# Altium PCB JTAG-批量下载V06.PcbDoc (part 8 of 13)
Units mil, origin at the board's own origin, x right, y up, seen from the top; angles counter-clockwise.
Board outline 6380 x 5290 mil, 2 copper layers (Top Layer, Bottom Layer); 190 components, 238 nets, 1050 pads, 459 vias.
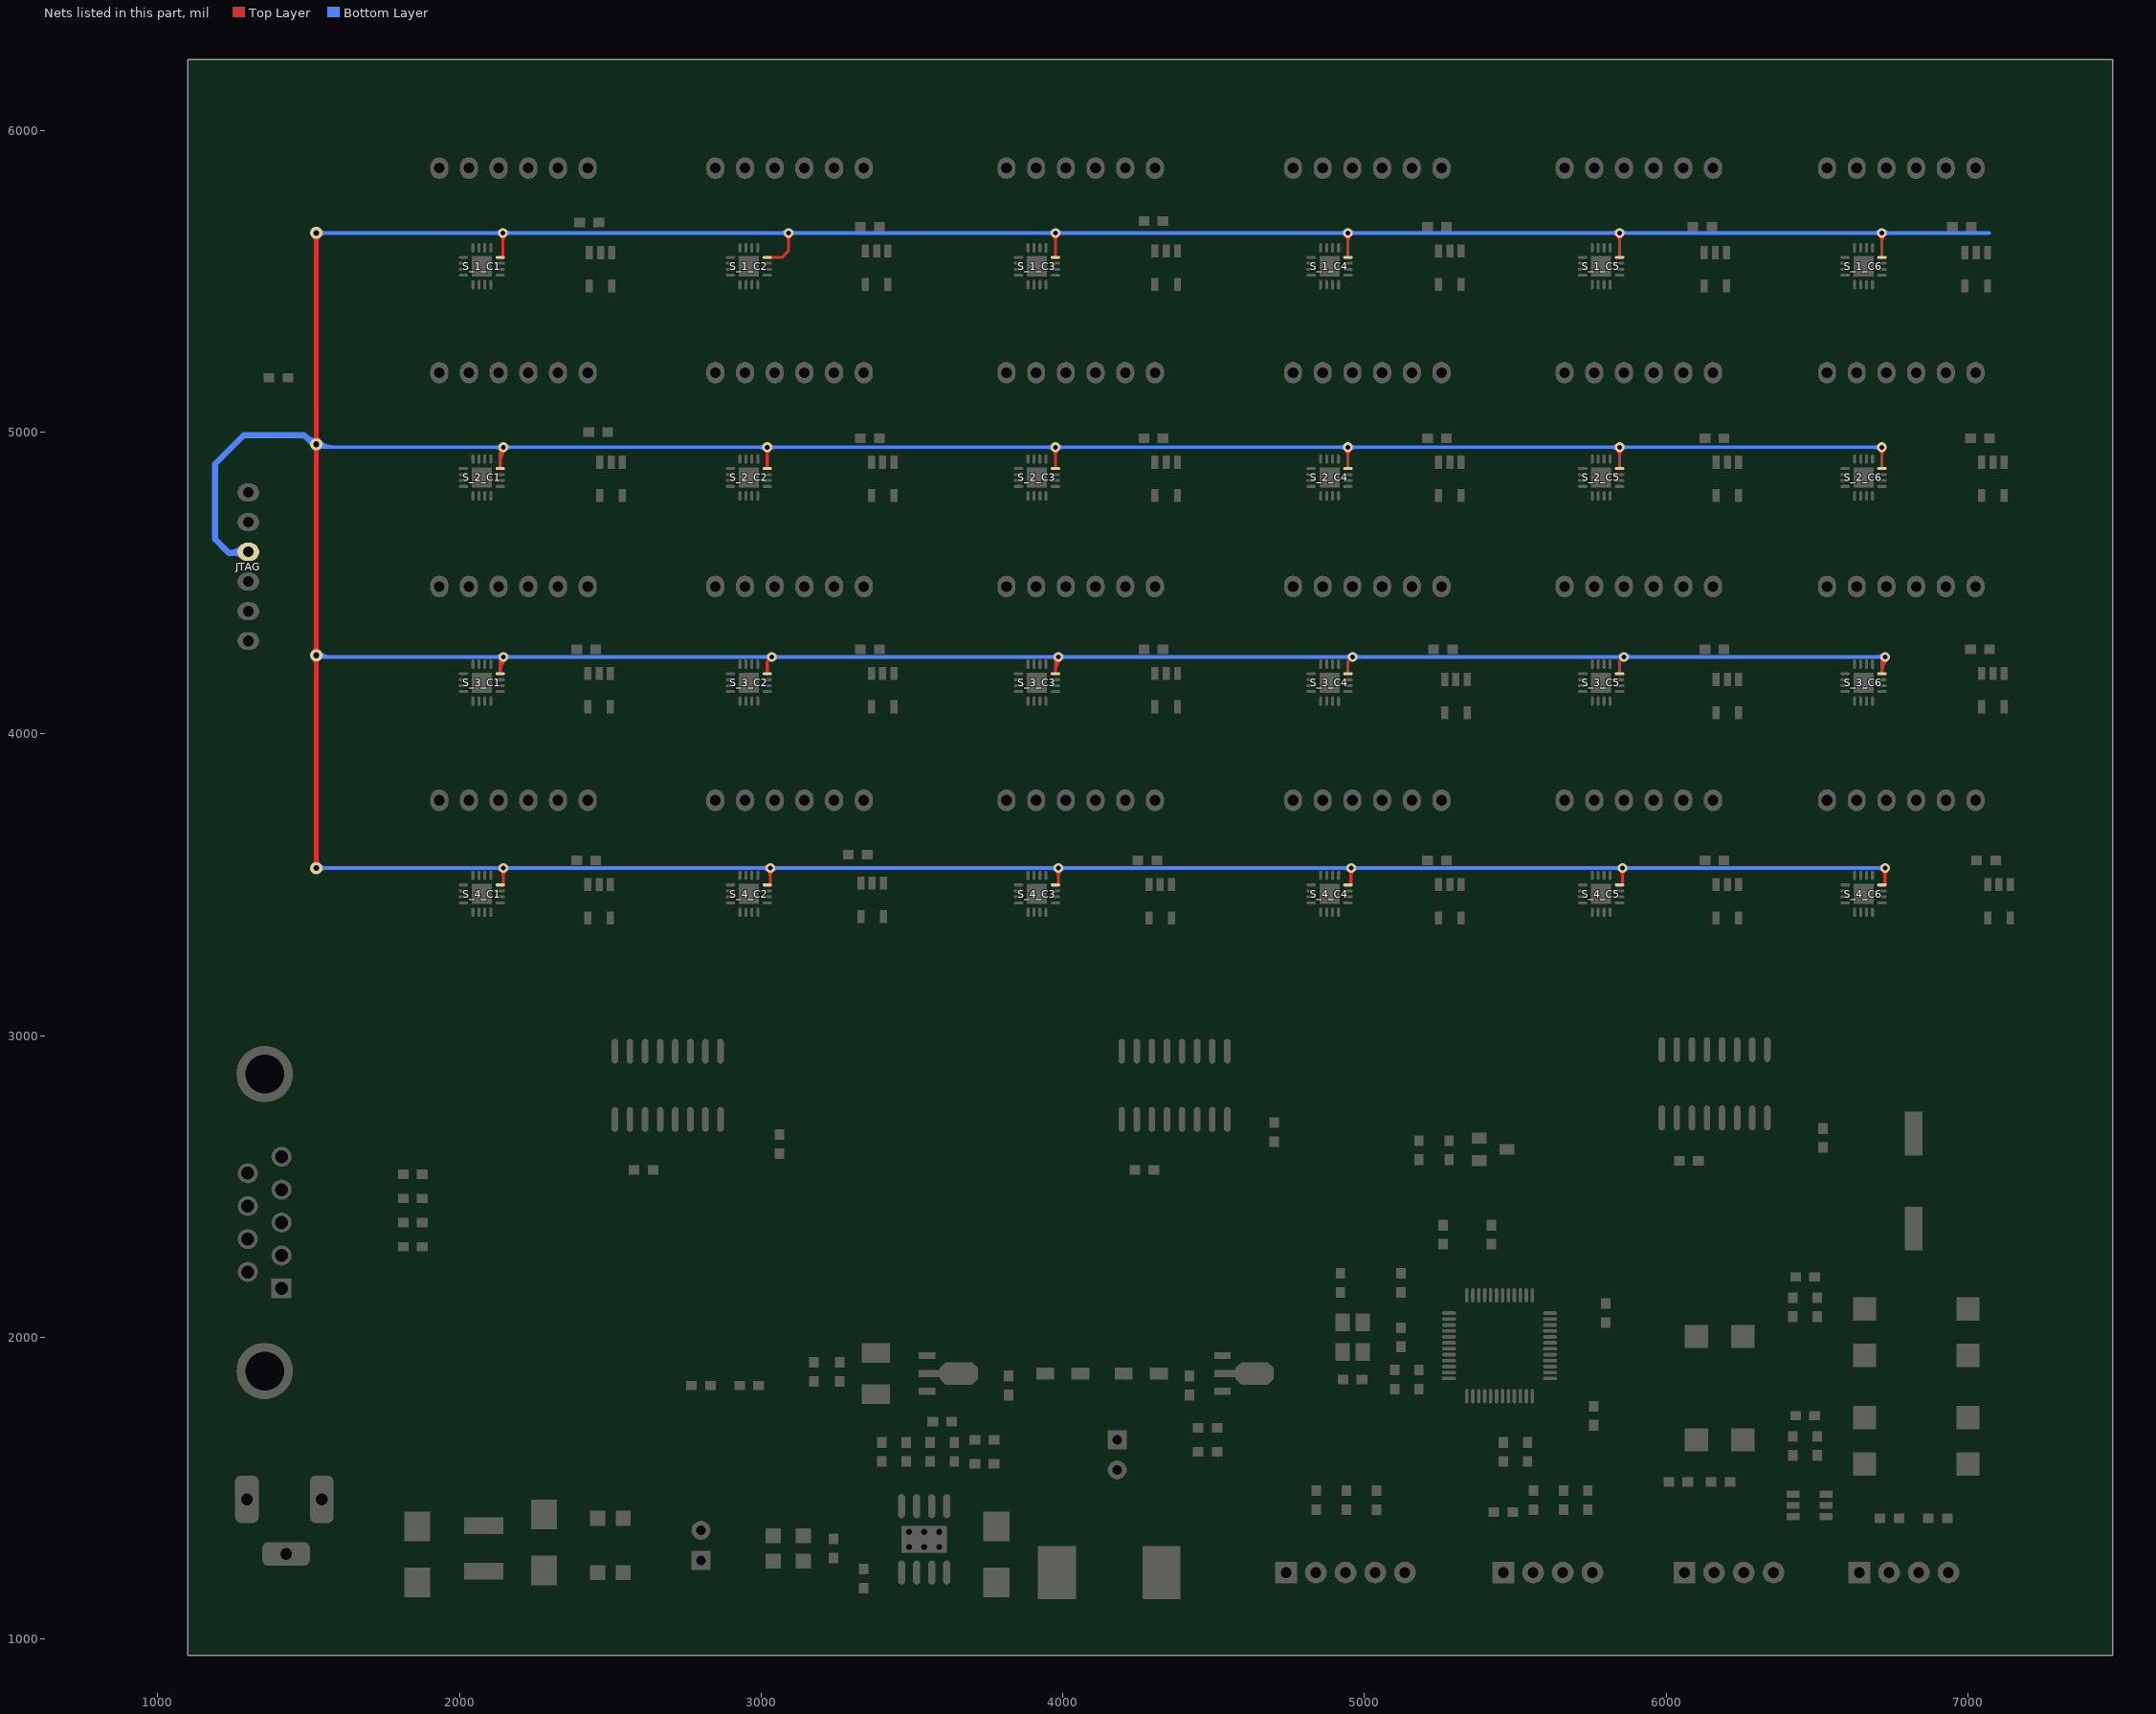
[diagram p8: the nets of this part, all layers, seen from the top]

## Via types
v1: diameter 32, hole 16, Top Layer to Bottom Layer, 347 vias
v2: diameter 50, hole 28, Top Layer to Bottom Layer, 63 vias
v3: diameter 40, hole 20, Top Layer to Bottom Layer, 49 vias

## Nets (pads, with @x,y where several pads share a name; then routed paths per layer and width w, separated by ;. In a path a pad name is that pad's centre, name@x,y a point inside that pad or via, vN(x,y) a via of type N, cw(c..) or ccw(c..) an arc to the next point about the centre after c; other vN are vias at no path point) (continued)
JTAG_TDI: JTAG.3 S_1_C1.4 S_1_C2.4 S_1_C3.4 S_1_C4.4 S_1_C5.4 S_1_C6.4 S_2_C1.4 S_2_C2.4 S_2_C3.4 S_2_C4.4 S_2_C5.4 S_2_C6.4 S_3_C1.4 S_3_C2.4 S_3_C3.4 S_3_C4.4 S_3_C5.4 S_3_C6.4 S_4_C1.4 S_4_C2.4 S_4_C3.4 S_4_C4.4 S_4_C5.4 S_4_C6.4 | length 34962.8
  Top Layer w10: S_3_C1.4@2135,4199.06 v1@2135,4255 ; 2135,4204.3 cw(c2195.7,4204.3) v1@2152.78,4247.22 ; 2135,4228.44 cw(c2171.56,4228.44) v1@2145.71,4254.29 ; S_2_C1.4@2135,4879.06 2135,4940 v1(2145,4950) ; S_1_C1.4@2135,5579.06 2144.06,5579.06 v1(2144.06,5660) ; S_4_C1.4@2145,3500 v1(2145,3555) ; S_3_C2.4@3020,4199.06 3020,4240 v1(3035,4255) ; S_2_C2.4@3020,4879.06 v1(3020,4950) ; S_1_C2.4@3020,5579.06 3069.06,5579.06 3090,5600 v1(3090,5660) ; S_4_C2.4@3030,3500 v1(3030,3555) ; S_3_C3.4@3975,4199.06 3975,4245 v1(3985,4255) ; 3975,4204.3 cw(c4035.7,4204.3) v1@3992.78,4247.22 ; 3975,4228.44 cw(c4011.56,4228.44) v1@3985.71,4254.29 ; S_2_C3.4@3975,4879.06 v1(3975,4950) ; S_1_C3.4@3975,5579.06 v1(3975,5660) ; S_4_C3.4@3985,3500 v1(3985,3555) ; S_3_C4.4@4945,4199.06 4945,4240 v1(4960,4255) ; S_2_C4.4@4945,4879.06 v1(4945,4950) ; S_1_C4.4@4945,5579.06 v1(4945,5660) ; S_4_C4.4@4955,3500 v1(4955,3555) ; S_3_C5.4@5845,4199.06 5845,4240 v1(5860,4255) ; S_2_C5.4@5845,4879.06 v1(5845,4950) ; S_1_C5.4@5845,5579.06 v1(5845,5660) ; S_4_C5.4@5855,3500 v1(5855,3555) ; S_3_C6.4@6715,4199.06 6715,4245 v1(6725,4255) ; 6715,4204.3 cw(c6775.7,4204.3) v1@6732.78,4247.22 ; 6715,4228.44 cw(c6751.56,4228.44) v1@6725.71,4254.29 ; S_2_C6.4@6715,4879.06 v1(6715,4950) ; S_1_C6.4@6715,5579.06 v1(6715,5660) ; S_4_C6.4@6725,3500 v1(6725,3555) ; 2135,4899.3 cw(c2195.7,4899.3) v1@2152.78,4942.22 ; 2135,4899.3 cw(c2195.7,4899.3) v1@2152.78,4942.22 ; 2135,4899.3 cw(c2195.7,4899.3) v1@2152.78,4942.22 ; 2135,4923.44 cw(c2171.56,4923.44) v1@2145.71,4949.29 ; 2135,4923.44 cw(c2171.56,4923.44) v1@2145.71,4949.29 ; 2135,4923.44 cw(c2171.56,4923.44) v1@2145.71,4949.29 ; v1@2136.28,5652.22 cw(c2117.5,5633.44) 2144.06,5633.44 ; v1@2136.28,5652.22 cw(c2117.5,5633.44) 2144.06,5633.44 ; v1@2136.28,5652.22 cw(c2117.5,5633.44) 2144.06,5633.44 ; v1@2137.22,3547.22 cw(c2118.44,3528.44) 2145,3528.44 ; v1@2137.22,3547.22 cw(c2118.44,3528.44) 2145,3528.44 ; v1@2137.22,3547.22 cw(c2118.44,3528.44) 2145,3528.44 ; 2144.06,5633.44 cw(c2170.61,5633.44) v1@2151.83,5652.22 ; 2144.06,5633.44 cw(c2170.61,5633.44) v1@2151.83,5652.22 ; 2144.06,5633.44 cw(c2170.61,5633.44) v1@2151.83,5652.22 ; 2145,3528.44 cw(c2171.56,3528.44) v1@2152.78,3547.22 ; 2145,3528.44 cw(c2171.56,3528.44) v1@2152.78,3547.22 ; 2145,3528.44 cw(c2171.56,3528.44) v1@2152.78,3547.22 ; v1@3012.22,4942.22 cw(c2993.44,4923.44) 3020,4923.44 ; v1@3012.22,4942.22 cw(c2993.44,4923.44) 3020,4923.44 ; v1@3012.22,4942.22 cw(c2993.44,4923.44) 3020,4923.44 ; 3020,4923.44 cw(c3046.56,4923.44) v1@3027.78,4942.22 ; 3020,4923.44 cw(c3046.56,4923.44) v1@3027.78,4942.22 ; 3020,4923.44 cw(c3046.56,4923.44) v1@3027.78,4942.22 ; v1@3022.22,3547.22 cw(c3003.44,3528.44) 3030,3528.44 ; v1@3022.22,3547.22 cw(c3003.44,3528.44) 3030,3528.44 ; v1@3022.22,3547.22 cw(c3003.44,3528.44) 3030,3528.44 ; 3030,3528.44 cw(c3056.56,3528.44) v1@3037.78,3547.22 ; 3030,3528.44 cw(c3056.56,3528.44) v1@3037.78,3547.22 ; 3030,3528.44 cw(c3056.56,3528.44) v1@3037.78,3547.22 ; v1@3082.22,5652.22 cw(c3063.44,5633.44) 3090,5633.44 ; v1@3082.22,5652.22 cw(c3063.44,5633.44) 3090,5633.44 ; v1@3082.22,5652.22 cw(c3063.44,5633.44) 3090,5633.44 ; 3090,5633.44 cw(c3116.56,5633.44) v1@3097.78,5652.22 ; 3090,5633.44 cw(c3116.56,5633.44) v1@3097.78,5652.22 ; 3090,5633.44 cw(c3116.56,5633.44) v1@3097.78,5652.22 ; v1@3967.22,4942.22 cw(c3948.44,4923.44) 3975,4923.44 ; v1@3967.22,4942.22 cw(c3948.44,4923.44) 3975,4923.44 ; v1@3967.22,4942.22 cw(c3948.44,4923.44) 3975,4923.44 ; v1@3967.22,5652.22 cw(c3948.44,5633.44) 3975,5633.44 ; v1@3967.22,5652.22 cw(c3948.44,5633.44) 3975,5633.44 ; v1@3967.22,5652.22 cw(c3948.44,5633.44) 3975,5633.44 ; 3975,4923.44 cw(c4001.56,4923.44) v1@3982.78,4942.22 ; 3975,4923.44 cw(c4001.56,4923.44) v1@3982.78,4942.22 ; 3975,4923.44 cw(c4001.56,4923.44) v1@3982.78,4942.22 ; 3975,5633.44 cw(c4001.56,5633.44) v1@3982.78,5652.22 ; 3975,5633.44 cw(c4001.56,5633.44) v1@3982.78,5652.22 ; 3975,5633.44 cw(c4001.56,5633.44) v1@3982.78,5652.22 ; v1@3977.22,3547.22 cw(c3958.44,3528.44) 3985,3528.44 ; v1@3977.22,3547.22 cw(c3958.44,3528.44) 3985,3528.44 ; v1@3977.22,3547.22 cw(c3958.44,3528.44) 3985,3528.44 ; 3985,3528.44 cw(c4011.56,3528.44) v1@3992.78,3547.22 ; 3985,3528.44 cw(c4011.56,3528.44) v1@3992.78,3547.22 ; 3985,3528.44 cw(c4011.56,3528.44) v1@3992.78,3547.22 ; v1@4937.22,4942.22 cw(c4918.44,4923.44) 4945,4923.44 ; v1@4937.22,4942.22 cw(c4918.44,4923.44) 4945,4923.44 ; v1@4937.22,4942.22 cw(c4918.44,4923.44) 4945,4923.44 ; v1@4937.22,5652.22 cw(c4918.44,5633.44) 4945,5633.44 ; v1@4937.22,5652.22 cw(c4918.44,5633.44) 4945,5633.44 ; v1@4937.22,5652.22 cw(c4918.44,5633.44) 4945,5633.44 ; 4945,4923.44 cw(c4971.56,4923.44) v1@4952.78,4942.22 ; 4945,4923.44 cw(c4971.56,4923.44) v1@4952.78,4942.22 ; 4945,4923.44 cw(c4971.56,4923.44) v1@4952.78,4942.22 ; 4945,5633.44 cw(c4971.56,5633.44) v1@4952.78,5652.22 ; 4945,5633.44 cw(c4971.56,5633.44) v1@4952.78,5652.22 ; 4945,5633.44 cw(c4971.56,5633.44) v1@4952.78,5652.22 ; v1@4947.22,3547.22 cw(c4928.44,3528.44) 4955,3528.44 ; v1@4947.22,3547.22 cw(c4928.44,3528.44) 4955,3528.44 ; v1@4947.22,3547.22 cw(c4928.44,3528.44) 4955,3528.44 ; 4955,3528.44 cw(c4981.56,3528.44) v1@4962.78,3547.22 ; 4955,3528.44 cw(c4981.56,3528.44) v1@4962.78,3547.22 ; 4955,3528.44 cw(c4981.56,3528.44) v1@4962.78,3547.22 ; v1@5837.22,4942.22 cw(c5818.44,4923.44) 5845,4923.44 ; v1@5837.22,4942.22 cw(c5818.44,4923.44) 5845,4923.44 ; v1@5837.22,4942.22 cw(c5818.44,4923.44) 5845,4923.44 ; v1@5837.22,5652.22 cw(c5818.44,5633.44) 5845,5633.44 ; v1@5837.22,5652.22 cw(c5818.44,5633.44) 5845,5633.44 ; v1@5837.22,5652.22 cw(c5818.44,5633.44) 5845,5633.44 ; 5845,4923.44 cw(c5871.56,4923.44) v1@5852.78,4942.22 ; 5845,4923.44 cw(c5871.56,4923.44) v1@5852.78,4942.22 ; 5845,4923.44 cw(c5871.56,4923.44) v1@5852.78,4942.22 ; 5845,5633.44 cw(c5871.56,5633.44) v1@5852.78,5652.22 ; 5845,5633.44 cw(c5871.56,5633.44) v1@5852.78,5652.22 ; 5845,5633.44 cw(c5871.56,5633.44) v1@5852.78,5652.22 ; v1@5847.22,3547.22 cw(c5828.44,3528.44) 5855,3528.44 ; v1@5847.22,3547.22 cw(c5828.44,3528.44) 5855,3528.44 ; v1@5847.22,3547.22 cw(c5828.44,3528.44) 5855,3528.44 ; 5855,3528.44 cw(c5881.56,3528.44) v1@5862.78,3547.22 ; 5855,3528.44 cw(c5881.56,3528.44) v1@5862.78,3547.22 ; 5855,3528.44 cw(c5881.56,3528.44) v1@5862.78,3547.22 ; v1@6707.22,4942.22 cw(c6688.44,4923.44) 6715,4923.44 ; v1@6707.22,4942.22 cw(c6688.44,4923.44) 6715,4923.44 ; v1@6707.22,4942.22 cw(c6688.44,4923.44) 6715,4923.44 ; v1@6707.22,5652.22 cw(c6688.44,5633.44) 6715,5633.44 ; v1@6707.22,5652.22 cw(c6688.44,5633.44) 6715,5633.44 ; v1@6707.22,5652.22 cw(c6688.44,5633.44) 6715,5633.44 ; 6715,4923.44 cw(c6741.56,4923.44) v1@6722.78,4942.22 ; 6715,4923.44 cw(c6741.56,4923.44) v1@6722.78,4942.22 ; 6715,4923.44 cw(c6741.56,4923.44) v1@6722.78,4942.22 ; 6715,5633.44 cw(c6741.56,5633.44) v1@6722.78,5652.22 ; 6715,5633.44 cw(c6741.56,5633.44) v1@6722.78,5652.22 ; 6715,5633.44 cw(c6741.56,5633.44) v1@6722.78,5652.22 ; v1@6717.22,3547.22 cw(c6698.44,3528.44) 6725,3528.44 ; v1@6717.22,3547.22 cw(c6698.44,3528.44) 6725,3528.44 ; v1@6717.22,3547.22 cw(c6698.44,3528.44) 6725,3528.44 ; 6725,3528.44 cw(c6751.56,3528.44) v1@6732.78,3547.22 ; 6725,3528.44 cw(c6751.56,3528.44) v1@6732.78,3547.22 ; 6725,3528.44 cw(c6751.56,3528.44) v1@6732.78,3547.22
  Top Layer w15: v3(1525,3555) v3(1525,5660) ; v3@1516.16,3563.84 ccw(c1494.82,3585.18) 1525,3585.18 ; v3@1516.16,3563.84 ccw(c1494.82,3585.18) 1525,3585.18 ; v3@1516.16,3563.84 ccw(c1494.82,3585.18) 1525,3585.18 ; v3@1516.16,4251.16 cw(c1494.82,4229.82) 1525,4229.82 ; v3@1516.16,4251.16 cw(c1494.82,4229.82) 1525,4229.82 ; v3@1516.16,4251.16 cw(c1494.82,4229.82) 1525,4229.82 ; v3@1516.16,4268.84 ccw(c1494.82,4290.18) 1525,4290.18 ; v3@1516.16,4268.84 ccw(c1494.82,4290.18) 1525,4290.18 ; v3@1516.16,4268.84 ccw(c1494.82,4290.18) 1525,4290.18 ; v3@1516.16,4951.16 cw(c1494.82,4929.82) 1525,4929.82 ; v3@1516.16,4951.16 cw(c1494.82,4929.82) 1525,4929.82 ; v3@1516.16,4951.16 cw(c1494.82,4929.82) 1525,4929.82 ; v3@1516.16,4968.84 ccw(c1494.82,4990.18) 1525,4990.18 ; v3@1516.16,4968.84 ccw(c1494.82,4990.18) 1525,4990.18 ; v3@1516.16,4968.84 ccw(c1494.82,4990.18) 1525,4990.18 ; v3@1516.16,5651.16 cw(c1494.82,5629.82) 1525,5629.82 ; v3@1516.16,5651.16 cw(c1494.82,5629.82) 1525,5629.82 ; v3@1516.16,5651.16 cw(c1494.82,5629.82) 1525,5629.82 ; 1525,3585.18 ccw(c1555.18,3585.18) v3@1533.84,3563.84 ; 1525,3585.18 ccw(c1555.18,3585.18) v3@1533.84,3563.84 ; 1525,3585.18 ccw(c1555.18,3585.18) v3@1533.84,3563.84 ; 1525,4229.82 cw(c1555.18,4229.82) v3@1533.84,4251.16 ; 1525,4229.82 cw(c1555.18,4229.82) v3@1533.84,4251.16 ; 1525,4229.82 cw(c1555.18,4229.82) v3@1533.84,4251.16 ; 1525,4290.18 ccw(c1555.18,4290.18) v3@1533.84,4268.84 ; 1525,4290.18 ccw(c1555.18,4290.18) v3@1533.84,4268.84 ; 1525,4290.18 ccw(c1555.18,4290.18) v3@1533.84,4268.84 ; 1525,4929.82 cw(c1555.18,4929.82) v3@1533.84,4951.16 ; 1525,4929.82 cw(c1555.18,4929.82) v3@1533.84,4951.16 ; 1525,4929.82 cw(c1555.18,4929.82) v3@1533.84,4951.16 ; 1525,4990.18 ccw(c1555.18,4990.18) v3@1533.84,4968.84 ; 1525,4990.18 ccw(c1555.18,4990.18) v3@1533.84,4968.84 ; 1525,4990.18 ccw(c1555.18,4990.18) v3@1533.84,4968.84 ; 1525,5629.82 cw(c1555.18,5629.82) v3@1533.84,5651.16 ; 1525,5629.82 cw(c1555.18,5629.82) v3@1533.84,5651.16 ; 1525,5629.82 cw(c1555.18,5629.82) v3@1533.84,5651.16
  Bottom Layer w12: v3(1525,3555) v1(6725,3555) ; v3@1525,4255 v1(6725,4255) ; v3@1525,4950 v1(6715,4950) ; v3(1525,5660) 7070,5660 ; 1558.8,3555 ccw(c1558.8,3521.2) 1534.9,3545.1 cw(c1558.8,3521.2) 1558.8,3555 ; 1558.8,3555 cw(c1558.8,3588.8) 1534.9,3564.9 ccw(c1558.8,3588.8) 1558.8,3555 ; 1558.8,5660 ccw(c1558.8,5626.2) 1534.9,5650.1 cw(c1558.8,5626.2) 1558.8,5660 ; 1558.8,5660 cw(c1558.8,5693.8) 1534.9,5669.9 ccw(c1558.8,5693.8) 1558.8,5660 ; 2119.91,5660 ccw(c2119.91,5684.14) v1@2136.98,5667.07 ; 2119.91,5660 cw(c2119.91,5635.86) v1@2136.98,5652.93 ; 2119.91,5660 ccw(c2119.91,5684.14) v1@2136.98,5667.07 ; 2119.91,5660 cw(c2119.91,5635.86) v1@2136.98,5652.93 ; 2119.91,5660 ccw(c2119.91,5684.14) v1@2136.98,5667.07 ; 2119.91,5660 cw(c2119.91,5635.86) v1@2136.98,5652.93 ; 2120.86,3555 ccw(c2120.86,3579.14) v1@2137.93,3562.07 ; 2120.86,3555 cw(c2120.86,3530.86) v1@2137.93,3547.93 ; 2120.86,3555 ccw(c2120.86,3579.14) v1@2137.93,3562.07 ; 2120.86,3555 cw(c2120.86,3530.86) v1@2137.93,3547.93 ; 2120.86,3555 ccw(c2120.86,3579.14) v1@2137.93,3562.07 ; 2120.86,3555 cw(c2120.86,3530.86) v1@2137.93,3547.93 ; 2120.86,4255 ccw(c2120.86,4279.14) v1@2137.93,4262.07 ; 2120.86,4255 cw(c2120.86,4230.86) v1@2137.93,4247.93 ; 2120.86,4255 ccw(c2120.86,4279.14) v1@2137.93,4262.07 ; 2120.86,4255 cw(c2120.86,4230.86) v1@2137.93,4247.93 ; 2120.86,4255 ccw(c2120.86,4279.14) v1@2137.93,4262.07 ; 2120.86,4255 cw(c2120.86,4230.86) v1@2137.93,4247.93 ; 2120.86,4950 ccw(c2120.86,4974.14) v1@2137.93,4957.07 ; 2120.86,4950 cw(c2120.86,4925.86) v1@2137.93,4942.93 ; 2120.86,4950 ccw(c2120.86,4974.14) v1@2137.93,4957.07 ; 2120.86,4950 cw(c2120.86,4925.86) v1@2137.93,4942.93 ; 2120.86,4950 ccw(c2120.86,4974.14) v1@2137.93,4957.07 ; 2120.86,4950 cw(c2120.86,4925.86) v1@2137.93,4942.93 ; v1@2151.13,5652.93 cw(c2168.2,5635.86) 2168.2,5660 ; v1@2151.13,5652.93 cw(c2168.2,5635.86) 2168.2,5660 ; v1@2151.13,5652.93 cw(c2168.2,5635.86) 2168.2,5660 ; v1@2151.13,5667.07 ccw(c2168.2,5684.14) 2168.2,5660 ; v1@2151.13,5667.07 ccw(c2168.2,5684.14) 2168.2,5660 ; v1@2151.13,5667.07 ccw(c2168.2,5684.14) 2168.2,5660 ; v1@2152.07,3547.93 cw(c2169.14,3530.86) 2169.14,3555 ; v1@2152.07,3547.93 cw(c2169.14,3530.86) 2169.14,3555 ; v1@2152.07,3547.93 cw(c2169.14,3530.86) 2169.14,3555 ; v1@2152.07,3562.07 ccw(c2169.14,3579.14) 2169.14,3555 ; v1@2152.07,3562.07 ccw(c2169.14,3579.14) 2169.14,3555 ; v1@2152.07,3562.07 ccw(c2169.14,3579.14) 2169.14,3555 ; v1@2152.07,4247.93 cw(c2169.14,4230.86) 2169.14,4255 ; v1@2152.07,4247.93 cw(c2169.14,4230.86) 2169.14,4255 ; v1@2152.07,4247.93 cw(c2169.14,4230.86) 2169.14,4255 ; v1@2152.07,4262.07 ccw(c2169.14,4279.14) 2169.14,4255 ; v1@2152.07,4262.07 ccw(c2169.14,4279.14) 2169.14,4255 ; v1@2152.07,4262.07 ccw(c2169.14,4279.14) 2169.14,4255 ; v1@2152.07,4942.93 cw(c2169.14,4925.86) 2169.14,4950 ; v1@2152.07,4942.93 cw(c2169.14,4925.86) 2169.14,4950 ; v1@2152.07,4942.93 cw(c2169.14,4925.86) 2169.14,4950 ; v1@2152.07,4957.07 ccw(c2169.14,4974.14) 2169.14,4950 ; v1@2152.07,4957.07 ccw(c2169.14,4974.14) 2169.14,4950 ; v1@2152.07,4957.07 ccw(c2169.14,4974.14) 2169.14,4950 ; 2995.86,4950 ccw(c2995.86,4974.14) v1@3012.93,4957.07 ; 2995.86,4950 cw(c2995.86,4925.86) v1@3012.93,4942.93 ; 2995.86,4950 ccw(c2995.86,4974.14) v1@3012.93,4957.07 ; 2995.86,4950 cw(c2995.86,4925.86) v1@3012.93,4942.93 ; 2995.86,4950 ccw(c2995.86,4974.14) v1@3012.93,4957.07 ; 2995.86,4950 cw(c2995.86,4925.86) v1@3012.93,4942.93 ; 3005.86,3555 ccw(c3005.86,3579.14) v1@3022.93,3562.07 ; 3005.86,3555 cw(c3005.86,3530.86) v1@3022.93,3547.93 ; 3005.86,3555 ccw(c3005.86,3579.14) v1@3022.93,3562.07 ; 3005.86,3555 cw(c3005.86,3530.86) v1@3022.93,3547.93 ; 3005.86,3555 ccw(c3005.86,3579.14) v1@3022.93,3562.07 ; 3005.86,3555 cw(c3005.86,3530.86) v1@3022.93,3547.93 ; 3010.86,4255 ccw(c3010.86,4279.14) v1@3027.93,4262.07 ; 3010.86,4255 cw(c3010.86,4230.86) v1@3027.93,4247.93 ; 3010.86,4255 ccw(c3010.86,4279.14) v1@3027.93,4262.07 ; 3010.86,4255 cw(c3010.86,4230.86) v1@3027.93,4247.93 ; 3010.86,4255 ccw(c3010.86,4279.14) v1@3027.93,4262.07 ; 3010.86,4255 cw(c3010.86,4230.86) v1@3027.93,4247.93 ; v1@3027.07,4942.93 cw(c3044.14,4925.86) 3044.14,4950 ; v1@3027.07,4942.93 cw(c3044.14,4925.86) 3044.14,4950 ; v1@3027.07,4942.93 cw(c3044.14,4925.86) 3044.14,4950 ; v1@3027.07,4957.07 ccw(c3044.14,4974.14) 3044.14,4950 ; v1@3027.07,4957.07 ccw(c3044.14,4974.14) 3044.14,4950 ; v1@3027.07,4957.07 ccw(c3044.14,4974.14) 3044.14,4950 ; v1@3037.07,3547.93 cw(c3054.14,3530.86) 3054.14,3555 ; v1@3037.07,3547.93 cw(c3054.14,3530.86) 3054.14,3555 ; v1@3037.07,3547.93 cw(c3054.14,3530.86) 3054.14,3555 ; v1@3037.07,3562.07 ccw(c3054.14,3579.14) 3054.14,3555 ; v1@3037.07,3562.07 ccw(c3054.14,3579.14) 3054.14,3555 ; v1@3037.07,3562.07 ccw(c3054.14,3579.14) 3054.14,3555 ; v1@3042.07,4247.93 cw(c3059.14,4230.86) 3059.14,4255 ; v1@3042.07,4247.93 cw(c3059.14,4230.86) 3059.14,4255 ; v1@3042.07,4247.93 cw(c3059.14,4230.86) 3059.14,4255 ; v1@3042.07,4262.07 ccw(c3059.14,4279.14) 3059.14,4255 ; v1@3042.07,4262.07 ccw(c3059.14,4279.14) 3059.14,4255 ; v1@3042.07,4262.07 ccw(c3059.14,4279.14) 3059.14,4255 ; 3065.86,5660 ccw(c3065.86,5684.14) v1@3082.93,5667.07 ; 3065.86,5660 cw(c3065.86,5635.86) v1@3082.93,5652.93 ; 3065.86,5660 ccw(c3065.86,5684.14) v1@3082.93,5667.07 ; 3065.86,5660 cw(c3065.86,5635.86) v1@3082.93,5652.93 ; 3065.86,5660 ccw(c3065.86,5684.14) v1@3082.93,5667.07 ; 3065.86,5660 cw(c3065.86,5635.86) v1@3082.93,5652.93 ; v1@3097.07,5652.93 cw(c3114.14,5635.86) 3114.14,5660 ; v1@3097.07,5652.93 cw(c3114.14,5635.86) 3114.14,5660 ; v1@3097.07,5652.93 cw(c3114.14,5635.86) 3114.14,5660 ; v1@3097.07,5667.07 ccw(c3114.14,5684.14) 3114.14,5660 ; v1@3097.07,5667.07 ccw(c3114.14,5684.14) 3114.14,5660 ; v1@3097.07,5667.07 ccw(c3114.14,5684.14) 3114.14,5660 ; 3950.86,4950 ccw(c3950.86,4974.14) v1@3967.93,4957.07 ; 3950.86,4950 cw(c3950.86,4925.86) v1@3967.93,4942.93 ; 3950.86,4950 ccw(c3950.86,4974.14) v1@3967.93,4957.07 ; 3950.86,4950 cw(c3950.86,4925.86) v1@3967.93,4942.93 ; 3950.86,4950 ccw(c3950.86,4974.14) v1@3967.93,4957.07 ; 3950.86,4950 cw(c3950.86,4925.86) v1@3967.93,4942.93 ; 3950.86,5660 ccw(c3950.86,5684.14) v1@3967.93,5667.07 ; 3950.86,5660 cw(c3950.86,5635.86) v1@3967.93,5652.93 ; 3950.86,5660 ccw(c3950.86,5684.14) v1@3967.93,5667.07 ; 3950.86,5660 cw(c3950.86,5635.86) v1@3967.93,5652.93 ; 3950.86,5660 ccw(c3950.86,5684.14) v1@3967.93,5667.07 ; 3950.86,5660 cw(c3950.86,5635.86) v1@3967.93,5652.93 ; 3960.86,3555 ccw(c3960.86,3579.14) v1@3977.93,3562.07 ; 3960.86,3555 cw(c3960.86,3530.86) v1@3977.93,3547.93 ; 3960.86,3555 ccw(c3960.86,3579.14) v1@3977.93,3562.07 ; 3960.86,3555 cw(c3960.86,3530.86) v1@3977.93,3547.93 ; 3960.86,3555 ccw(c3960.86,3579.14) v1@3977.93,3562.07 ; 3960.86,3555 cw(c3960.86,3530.86) v1@3977.93,3547.93 ; 3960.86,4255 ccw(c3960.86,4279.14) v1@3977.93,4262.07 ; 3960.86,4255 cw(c3960.86,4230.86) v1@3977.93,4247.93 ; 3960.86,4255 ccw(c3960.86,4279.14) v1@3977.93,4262.07 ; 3960.86,4255 cw(c3960.86,4230.86) v1@3977.93,4247.93 ; 3960.86,4255 ccw(c3960.86,4279.14) v1@3977.93,4262.07 ; 3960.86,4255 cw(c3960.86,4230.86) v1@3977.93,4247.93 ; v1@3982.07,4942.93 cw(c3999.14,4925.86) 3999.14,4950 ; v1@3982.07,4942.93 cw(c3999.14,4925.86) 3999.14,4950 ; v1@3982.07,4942.93 cw(c3999.14,4925.86) 3999.14,4950 ; v1@3982.07,4957.07 ccw(c3999.14,4974.14) 3999.14,4950 ; v1@3982.07,4957.07 ccw(c3999.14,4974.14) 3999.14,4950 ; v1@3982.07,4957.07 ccw(c3999.14,4974.14) 3999.14,4950 ; v1@3982.07,5652.93 cw(c3999.14,5635.86) 3999.14,5660 ; v1@3982.07,5652.93 cw(c3999.14,5635.86) 3999.14,5660 ; v1@3982.07,5652.93 cw(c3999.14,5635.86) 3999.14,5660 ; v1@3982.07,5667.07 ccw(c3999.14,5684.14) 3999.14,5660 ; v1@3982.07,5667.07 ccw(c3999.14,5684.14) 3999.14,5660 ; v1@3982.07,5667.07 ccw(c3999.14,5684.14) 3999.14,5660 ; v1@3992.07,3547.93 cw(c4009.14,3530.86) 4009.14,3555 ; v1@3992.07,3547.93 cw(c4009.14,3530.86) 4009.14,3555 ; v1@3992.07,3547.93 cw(c4009.14,3530.86) 4009.14,3555 ; v1@3992.07,3562.07 ccw(c4009.14,3579.14) 4009.14,3555 ; v1@3992.07,3562.07 ccw(c4009.14,3579.14) 4009.14,3555 ; v1@3992.07,3562.07 ccw(c4009.14,3579.14) 4009.14,3555 ; v1@3992.07,4247.93 cw(c4009.14,4230.86) 4009.14,4255 ; v1@3992.07,4247.93 cw(c4009.14,4230.86) 4009.14,4255 ; v1@3992.07,4247.93 cw(c4009.14,4230.86) 4009.14,4255 ; v1@3992.07,4262.07 ccw(c4009.14,4279.14) 4009.14,4255 ; v1@3992.07,4262.07 ccw(c4009.14,4279.14) 4009.14,4255 ; v1@3992.07,4262.07 ccw(c4009.14,4279.14) 4009.14,4255 ; 4920.86,4950 ccw(c4920.86,4974.14) v1@4937.93,4957.07 ; 4920.86,4950 cw(c4920.86,4925.86) v1@4937.93,4942.93 ; 4920.86,4950 ccw(c4920.86,4974.14) v1@4937.93,4957.07 ; 4920.86,4950 cw(c4920.86,4925.86) v1@4937.93,4942.93 ; 4920.86,4950 ccw(c4920.86,4974.14) v1@4937.93,4957.07 ; 4920.86,4950 cw(c4920.86,4925.86) v1@4937.93,4942.93 ; 4920.86,5660 ccw(c4920.86,5684.14) v1@4937.93,5667.07 ; 4920.86,5660 cw(c4920.86,5635.86) v1@4937.93,5652.93 ; 4920.86,5660 ccw(c4920.86,5684.14) v1@4937.93,5667.07 ; 4920.86,5660 cw(c4920.86,5635.86) v1@4937.93,5652.93 ; 4920.86,5660 ccw(c4920.86,5684.14) v1@4937.93,5667.07 ; 4920.86,5660 cw(c4920.86,5635.86) v1@4937.93,5652.93 ; 4930.86,3555 ccw(c4930.86,3579.14) v1@4947.93,3562.07 ; 4930.86,3555 cw(c4930.86,3530.86) v1@4947.93,3547.93 ; 4930.86,3555 ccw(c4930.86,3579.14) v1@4947.93,3562.07 ; 4930.86,3555 cw(c4930.86,3530.86) v1@4947.93,3547.93 ; 4930.86,3555 ccw(c4930.86,3579.14) v1@4947.93,3562.07 ; 4930.86,3555 cw(c4930.86,3530.86) v1@4947.93,3547.93 ; 4935.86,4255 ccw(c4935.86,4279.14) v1@4952.93,4262.07 ; 4935.86,4255 cw(c4935.86,4230.86) v1@4952.93,4247.93 ; 4935.86,4255 ccw(c4935.86,4279.14) v1@4952.93,4262.07 ; 4935.86,4255 cw(c4935.86,4230.86) v1@4952.93,4247.93 ; 4935.86,4255 ccw(c4935.86,4279.14) v1@4952.93,4262.07 ; 4935.86,4255 cw(c4935.86,4230.86) v1@4952.93,4247.93 ; v1@4952.07,4942.93 cw(c4969.14,4925.86) 4969.14,4950 ; v1@4952.07,4942.93 cw(c4969.14,4925.86) 4969.14,4950 ; v1@4952.07,4942.93 cw(c4969.14,4925.86) 4969.14,4950 ; v1@4952.07,4957.07 ccw(c4969.14,4974.14) 4969.14,4950 ; v1@4952.07,4957.07 ccw(c4969.14,4974.14) 4969.14,4950 ; v1@4952.07,4957.07 ccw(c4969.14,4974.14) 4969.14,4950 ; v1@4952.07,5652.93 cw(c4969.14,5635.86) 4969.14,5660 ; v1@4952.07,5652.93 cw(c4969.14,5635.86) 4969.14,5660 ; v1@4952.07,5652.93 cw(c4969.14,5635.86) 4969.14,5660 ; v1@4952.07,5667.07 ccw(c4969.14,5684.14) 4969.14,5660 ; v1@4952.07,5667.07 ccw(c4969.14,5684.14) 4969.14,5660 ; v1@4952.07,5667.07 ccw(c4969.14,5684.14) 4969.14,5660 ; v1@4962.07,3547.93 cw(c4979.14,3530.86) 4979.14,3555 ; v1@4962.07,3547.93 cw(c4979.14,3530.86) 4979.14,3555 ; v1@4962.07,3547.93 cw(c4979.14,3530.86) 4979.14,3555 ; v1@4962.07,3562.07 ccw(c4979.14,3579.14) 4979.14,3555 ; v1@4962.07,3562.07 ccw(c4979.14,3579.14) 4979.14,3555 ; v1@4962.07,3562.07 ccw(c4979.14,3579.14) 4979.14,3555 ; v1@4967.07,4247.93 cw(c4984.14,4230.86) 4984.14,4255 ; v1@4967.07,4247.93 cw(c4984.14,4230.86) 4984.14,4255 ; v1@4967.07,4247.93 cw(c4984.14,4230.86) 4984.14,4255 ; v1@4967.07,4262.07 ccw(c4984.14,4279.14) 4984.14,4255 ; v1@4967.07,4262.07 ccw(c4984.14,4279.14) 4984.14,4255 ; v1@4967.07,4262.07 ccw(c4984.14,4279.14) 4984.14,4255 ; 5820.86,4950 ccw(c5820.86,4974.14) v1@5837.93,4957.07 ; 5820.86,4950 cw(c5820.86,4925.86) v1@5837.93,4942.93 ; 5820.86,4950 ccw(c5820.86,4974.14) v1@5837.93,4957.07 ; 5820.86,4950 cw(c5820.86,4925.86) v1@5837.93,4942.93 ; 5820.86,4950 ccw(c5820.86,4974.14) v1@5837.93,4957.07 ; 5820.86,4950 cw(c5820.86,4925.86) v1@5837.93,4942.93 ; 5820.86,5660 ccw(c5820.86,5684.14) v1@5837.93,5667.07 ; 5820.86,5660 cw(c5820.86,5635.86) v1@5837.93,5652.93 ; 5820.86,5660 ccw(c5820.86,5684.14) v1@5837.93,5667.07 ; 5820.86,5660 cw(c5820.86,5635.86) v1@5837.93,5652.93 ; 5820.86,5660 ccw(c5820.86,5684.14) v1@5837.93,5667.07 ; 5820.86,5660 cw(c5820.86,5635.86) v1@5837.93,5652.93 ; 5830.86,3555 ccw(c5830.86,3579.14) v1@5847.93,3562.07 ; 5830.86,3555 cw(c5830.86,3530.86) v1@5847.93,3547.93 ; 5830.86,3555 ccw(c5830.86,3579.14) v1@5847.93,3562.07 ; 5830.86,3555 cw(c5830.86,3530.86) v1@5847.93,3547.93 ; 5830.86,3555 ccw(c5830.86,3579.14) v1@5847.93,3562.07 ; 5830.86,3555 cw(c5830.86,3530.86) v1@5847.93,3547.93 ; 5835.86,4255 ccw(c5835.86,4279.14) v1@5852.93,4262.07 ; 5835.86,4255 cw(c5835.86,4230.86) v1@5852.93,4247.93 ; 5835.86,4255 ccw(c5835.86,4279.14) v1@5852.93,4262.07 ; 5835.86,4255 cw(c5835.86,4230.86) v1@5852.93,4247.93 ; 5835.86,4255 ccw(c5835.86,4279.14) v1@5852.93,4262.07 ; 5835.86,4255 cw(c5835.86,4230.86) v1@5852.93,4247.93 ; v1@5852.07,4942.93 cw(c5869.14,4925.86) 5869.14,4950 ; v1@5852.07,4942.93 cw(c5869.14,4925.86) 5869.14,4950 ; v1@5852.07,4942.93 cw(c5869.14,4925.86) 5869.14,4950 ; v1@5852.07,4957.07 ccw(c5869.14,4974.14) 5869.14,4950 ; v1@5852.07,4957.07 ccw(c5869.14,4974.14) 5869.14,4950 ; v1@5852.07,4957.07 ccw(c5869.14,4974.14) 5869.14,4950 ; v1@5852.07,5652.93 cw(c5869.14,5635.86) 5869.14,5660 ; v1@5852.07,5652.93 cw(c5869.14,5635.86) 5869.14,5660 ; v1@5852.07,5652.93 cw(c5869.14,5635.86) 5869.14,5660 ; v1@5852.07,5667.07 ccw(c5869.14,5684.14) 5869.14,5660 ; v1@5852.07,5667.07 ccw(c5869.14,5684.14) 5869.14,5660 ; v1@5852.07,5667.07 ccw(c5869.14,5684.14) 5869.14,5660 ; v1@5862.07,3547.93 cw(c5879.14,3530.86) 5879.14,3555 ; v1@5862.07,3547.93 cw(c5879.14,3530.86) 5879.14,3555 ; v1@5862.07,3547.93 cw(c5879.14,3530.86) 5879.14,3555 ; v1@5862.07,3562.07 ccw(c5879.14,3579.14) 5879.14,3555 ; v1@5862.07,3562.07 ccw(c5879.14,3579.14) 5879.14,3555 ; v1@5862.07,3562.07 ccw(c5879.14,3579.14) 5879.14,3555 ; v1@5867.07,4247.93 cw(c5884.14,4230.86) 5884.14,4255 ; v1@5867.07,4247.93 cw(c5884.14,4230.86) 5884.14,4255 ; v1@5867.07,4247.93 cw(c5884.14,4230.86) 5884.14,4255 ; v1@5867.07,4262.07 ccw(c5884.14,4279.14) 5884.14,4255 ; v1@5867.07,4262.07 ccw(c5884.14,4279.14) 5884.14,4255 ; v1@5867.07,4262.07 ccw(c5884.14,4279.14) 5884.14,4255 ; 6690.86,4950 ccw(c6690.86,4974.14) v1@6707.93,4957.07 ; 6690.86,4950 cw(c6690.86,4925.86) v1@6707.93,4942.93 ; 6690.86,4950 ccw(c6690.86,4974.14) v1@6707.93,4957.07 ; 6690.86,4950 cw(c6690.86,4925.86) v1@6707.93,4942.93 ; 6690.86,4950 ccw(c6690.86,4974.14) v1@6707.93,4957.07 ; 6690.86,4950 cw(c6690.86,4925.86) v1@6707.93,4942.93 ; 6690.86,5660 ccw(c6690.86,5684.14) v1@6707.93,5667.07 ; 6690.86,5660 cw(c6690.86,5635.86) v1@6707.93,5652.93 ; 6690.86,5660 ccw(c6690.86,5684.14) v1@6707.93,5667.07 ; 6690.86,5660 cw(c6690.86,5635.86) v1@6707.93,5652.93 ; 6690.86,5660 ccw(c6690.86,5684.14) v1@6707.93,5667.07 ; 6690.86,5660 cw(c6690.86,5635.86) v1@6707.93,5652.93 ; 6700.86,3555 ccw(c6700.86,3579.14) v1@6717.93,3562.07 ; 6700.86,3555 cw(c6700.86,3530.86) v1@6717.93,3547.93 ; 6700.86,3555 ccw(c6700.86,3579.14) v1@6717.93,3562.07 ; 6700.86,3555 cw(c6700.86,3530.86) v1@6717.93,3547.93 ; 6700.86,3555 ccw(c6700.86,3579.14) v1@6717.93,3562.07 ; 6700.86,3555 cw(c6700.86,3530.86) v1@6717.93,3547.93 ; 6700.86,4255 ccw(c6700.86,4279.14) v1@6717.93,4262.07 ; 6700.86,4255 cw(c6700.86,4230.86) v1@6717.93,4247.93 ; 6700.86,4255 ccw(c6700.86,4279.14) v1@6717.93,4262.07 ; 6700.86,4255 cw(c6700.86,4230.86) v1@6717.93,4247.93 ; 6700.86,4255 ccw(c6700.86,4279.14) v1@6717.93,4262.07 ; 6700.86,4255 cw(c6700.86,4230.86) v1@6717.93,4247.93 ; v1@6722.07,5652.93 cw(c6739.14,5635.86) 6739.14,5660 ; v1@6722.07,5652.93 cw(c6739.14,5635.86) 6739.14,5660 ; v1@6722.07,5652.93 cw(c6739.14,5635.86) 6739.14,5660 ; v1@6722.07,5667.07 ccw(c6739.14,5684.14) 6739.14,5660 ; v1@6722.07,5667.07 ccw(c6739.14,5684.14) 6739.14,5660 ; v1@6722.07,5667.07 ccw(c6739.14,5684.14) 6739.14,5660 ; v3@1526.41,4961.41 ccw(c1553.97,4988.97) 1553.97,4950 cw(c1553.97,4988.97) v3@1526.41,4961.41 ; v3@1534.9,4250.1 cw(c1546.73,4238.27) 1546.73,4255 ccw(c1546.73,4238.27) v3@1534.9,4250.1 ; v3@1534.9,4269.9 ccw(c1570.87,4305.87) 1570.87,4255 cw(c1570.87,4305.87) v3@1534.9,4269.9 ; v3@1534.9,4969.9 ccw(c1582.94,5017.94) 1582.94,4950 cw(c1582.94,5017.94) v3@1534.9,4969.9
  Bottom Layer w20: JTAG.3@1310,4600 1235,4600 1190,4645 1190,4895 1285,4990 1485,4990 1515,4960 v3(1525,4960) ; 1238.11,4600 ccw(c1238.11,4659.04) 1279.86,4617.29 cw(c1238.11,4659.04) 1238.11,4600 ; 1253.32,4600 cw(c1253.32,4562.47) 1279.86,4589.01 ccw(c1253.32,4562.47) 1253.32,4600 ; 1490.86,4984.14 ccw(c1525,5018.28) 1525,4970 cw(c1525,5018.28) 1490.86,4984.14
  other v1: 2145,4255
  other v3: 1525,4260